# KiCad board nevb_mtr1_c_1.kicad_pcb (continued)
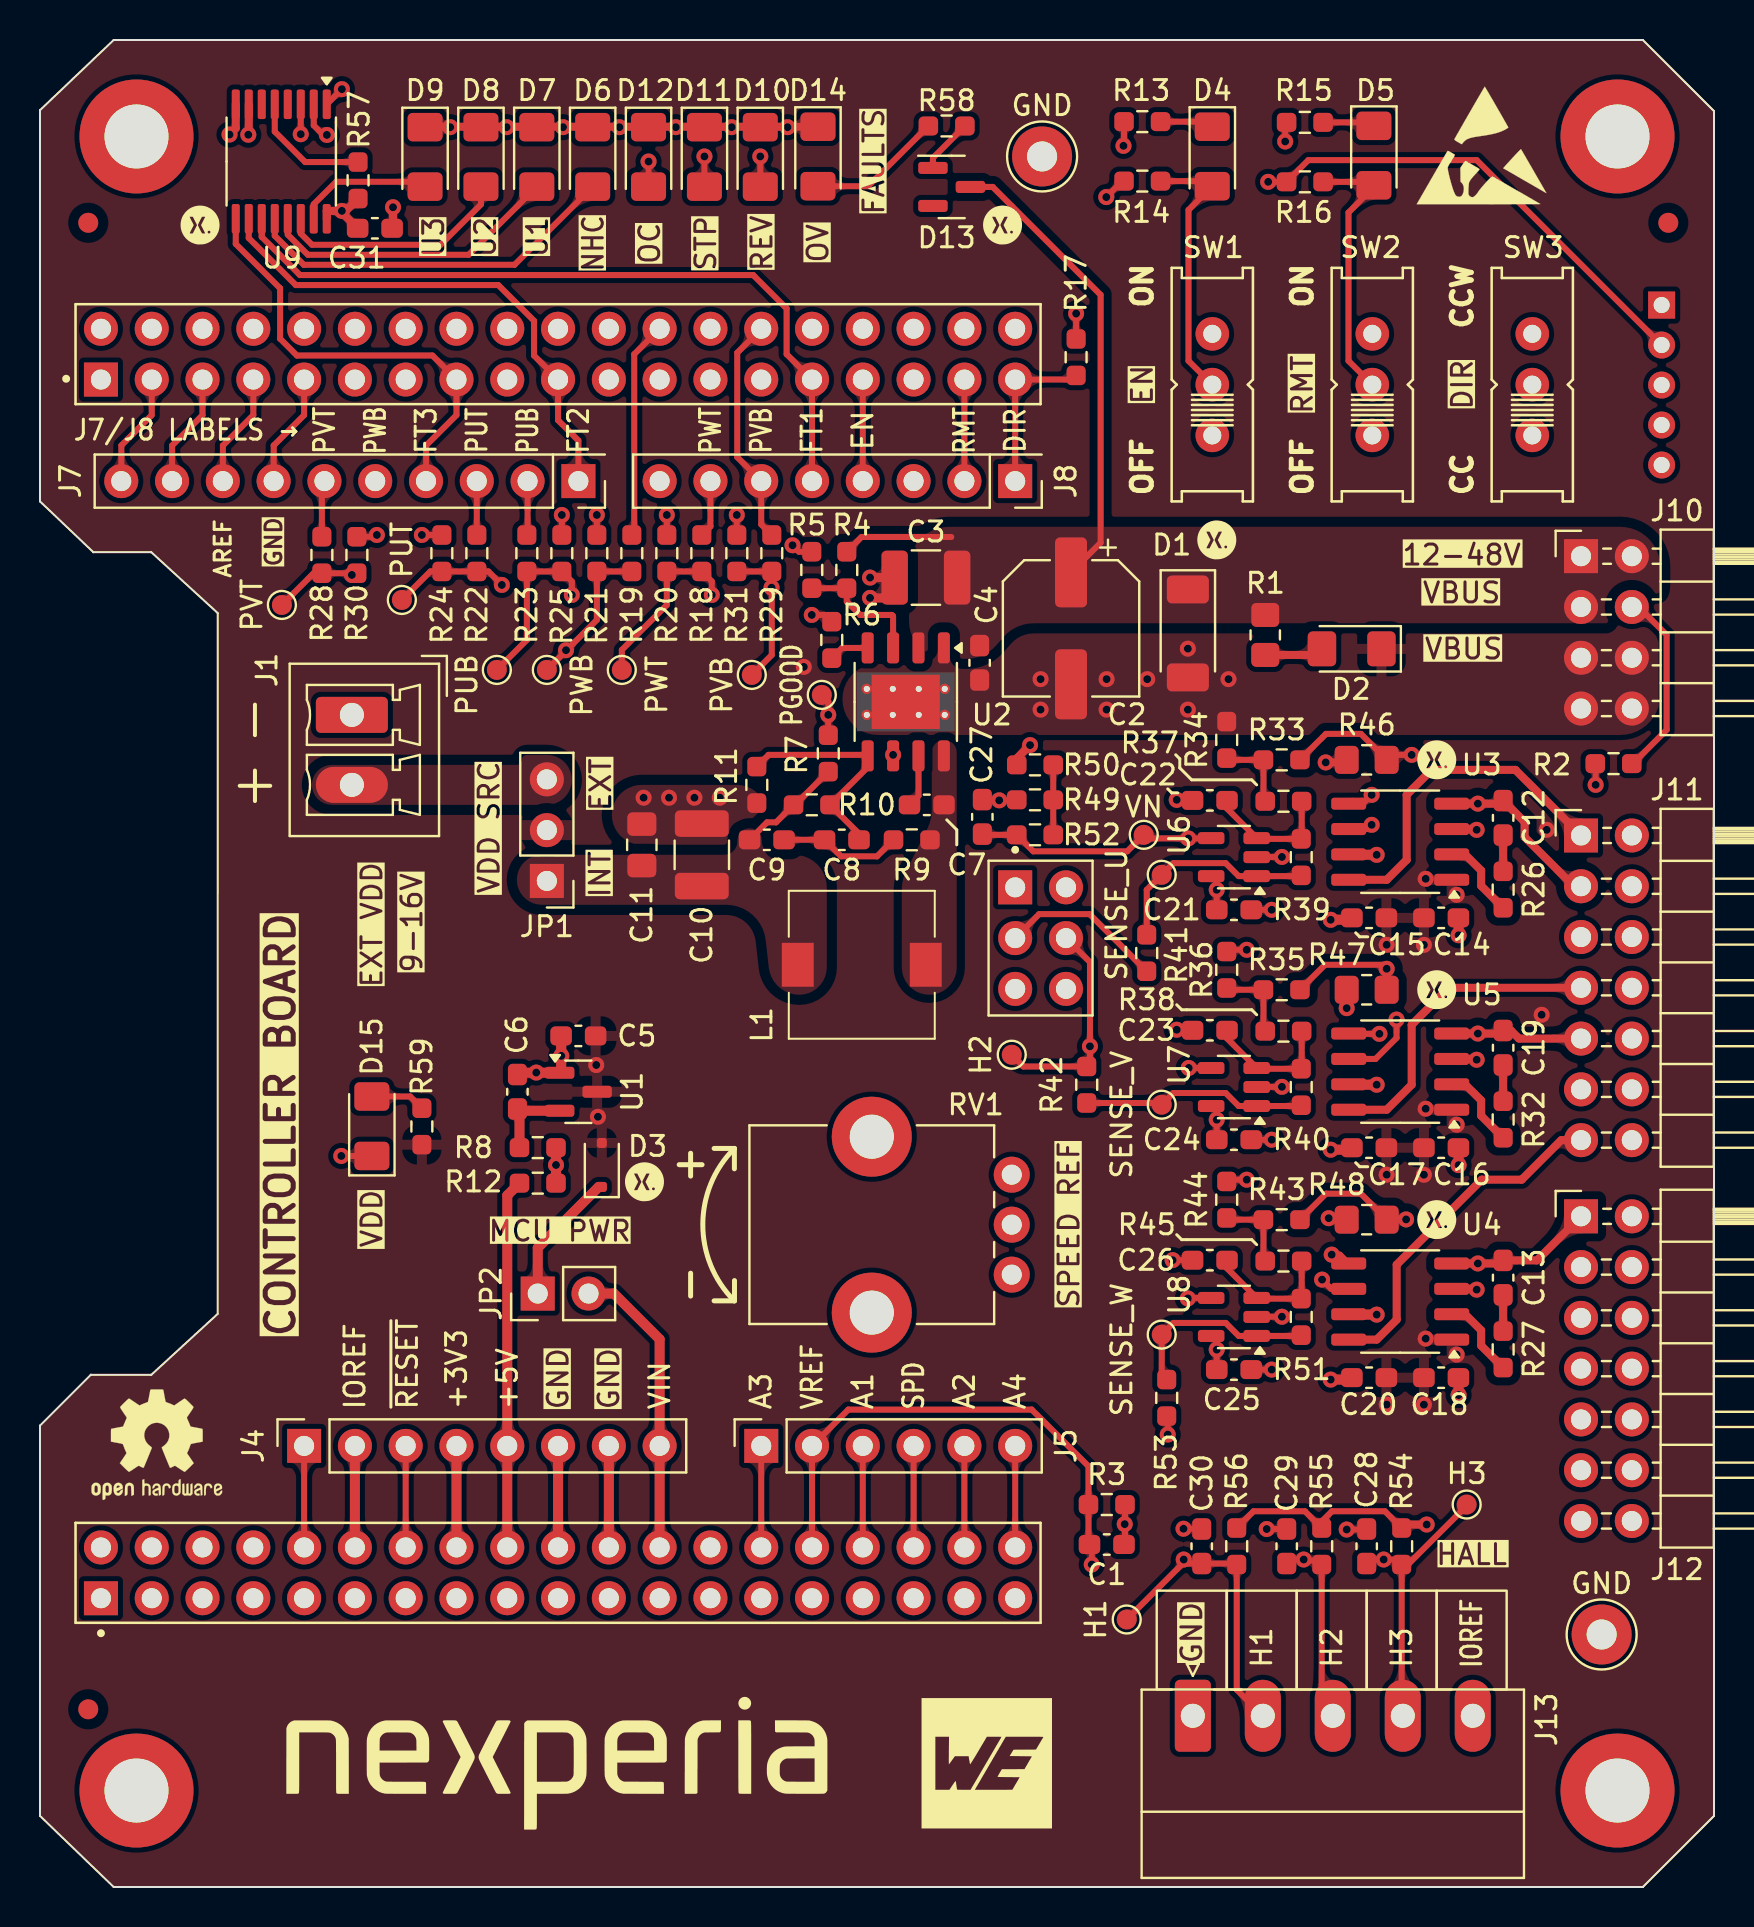
[diagram p0: board, top side]
## Library data of the parts (continued)
J4 J8 = -: Datasheet: https://suddendocs.samtec.com/catalog_english/ssq_th.pdf; Manufacturer: SAMTEC; Mfg Part No: SSQ-108-03-T-S; Farnell Part No: 3550867; Mouser Part No: 200-SSQ10803TS; ki_fp_filters: Connector*:*_1x??_*
J5 = -: Datasheet: https://suddendocs.samtec.com/catalog_english/ssq_th.pdf; Manufacturer: SAMTEC; Mfg Part No: SSQ-106-03-T-S; Farnell Part No: 3550863; Mouser Part No: 200-SSQ10603TS; ki_fp_filters: Connector*:*_1x??_*
J6 = -: Datasheet: https://suddendocs.samtec.com/catalog_english/ssq_th.pdf; Manufacturer: SAMTEC; Mfg Part No: SSQ-103-03-T-D; Farnell Part No: 3550857; Mouser Part No: 200-SSQ10303TD; ki_fp_filters: Connector*:*_2x??_*
J7 = -: Datasheet: https://suddendocs.samtec.com/catalog_english/ssq_th.pdf; Manufacturer: SAMTEC; Mfg Part No: SSQ-110-03-T-S; Farnell Part No: 3550873; Mouser Part No: 200-SSQ11003TS; ki_fp_filters: Connector*:*_1x??_*
J10 = -: Datasheet: https://www.we-online.com/components/products/datasheet/61300821021.pdf; Manufacturer: WURTH ELEKTRONIK; Mfg Part No: 61300821021; Farnell Part No: 2356196; Mouser Part No: 710-61300821021; ki_fp_filters: Connector*:*_2x??_*
J11 J12 = -: Datasheet: https://www.we-online.com/components/products/datasheet/61301421021.pdf; Manufacturer: WURTH ELEKTRONIK; Mfg Part No: 61301421021; Farnell Part No: 2356198; Mouser Part No: 710-61301421021; ki_fp_filters: Connector*:*_2x??_*
J13 = -: Datasheet: https://www.we-online.com/components/products/datasheet/691322110005.pdf; Manufacturer: WURTH ELEKTRONIK; Mfg Part No: 691322110005; Farnell Part No: 1841318; Mouser Part No: 710-691322110005; ki_fp_filters: Connector*:*_1x??_*
JP1 = -: Datasheet: https://www.we-online.com/components/products/datasheet/61300311121.pdf; Manufacturer: WURTH ELEKTRONIK; Mfg Part No: 61300311121; Farnell Part No: 2356154; Mouser Part No: 710-61300311121; ki_fp_filters: Jumper* TestPoint*3Pads* TestPoint*Bridge*
JP2 = -: Datasheet: https://www.we-online.com/components/products/datasheet/61300211121.pdf; Manufacturer: WURTH ELEKTRONIK; Mfg Part No: 61300211121; Farnell Part No: 2356153; Mouser Part No: 710-61300211121; ki_fp_filters: Jumper* TestPoint*2Pads* TestPoint*Bridge*
L1 = -: Datasheet: https://www.we-online.com/components/products/datasheet/7447773680.pdf; Manufacturer: WURTH ELEKTRONIK; Mfg Part No: 7447773680; Farnell Part No: 3221536; Mouser Part No: 710-7447773680; ki_fp_filters: Choke_* *Coil* Inductor_* L_*
R1 = -: Datasheet: http://www.kamaya.co.jp/upload/products_pdf/kamaya_products(RMC1-32,RMC1-20,RMC1-16S,RMC1-16,RMC1-10,RMC1-8,RMC1-4,RMC1-2,RMC1)_english_20240824_132441.pdf; Manufacturer: KAMAYA; Mfg Part No: RMC1/10K1003FTP; Mouser Part No: 791-RMC1/10K1003FTP; ki_fp_filters: R_*
R2 R4 R6 R7 = -: Datasheet: https://www.yageo.com/upload/media/product/app/datasheet/rchip/pyu-rt_1-to-0.01_rohs_l.pdf; Manufacturer: YAGEO; Mfg Part No: RT0603FRE07100KL; Farnell Part No: 1500586; Mouser Part No: 603-RT0603FRE07100KL; ki_fp_filters: R_*
R3 = -: Datasheet: https://www.yageo.com/upload/media/product/products/datasheet/rchip/PYu-RC_Group_51_RoHS_L_12.pdf; Manufacturer: YAGEO; Mfg Part No: RC0603FR-076K2L; Farnell Part No: 3495902; Mouser Part No: 603-RC0603FR-076K2L; ki_fp_filters: R_*
R5 = -: Datasheet: https://www.bourns.com/docs/product-datasheets/cr.pdf; Manufacturer: BOURNS; Mfg Part No: CR0603-FX-1502ELF; Farnell Part No: 2333567; Mouser Part No: 652-CR0603FX-1502ELF; ki_fp_filters: R_*
R8 R12 R26 R27 R32 R37 R38 R41 R42 R45 R52 R53 = -: Datasheet: https://www.yageo.com/upload/media/product/products/datasheet/rchip/PYu-RC_Group_51_RoHS_L_12.pdf; Manufacturer: YAGEO; Mfg Part No: RC0603FR-070RL; Farnell Part No: 2309106; Mouser Part No: 603-RC0603FR-070RL; ki_fp_filters: R_*
R9 R10 = -: Datasheet: https://www.yageo.com/upload/media/product/products/datasheet/rchip/PYu-RC_Group_51_RoHS_L_12.pdf; Manufacturer: YAGEO; Mfg Part No: RC0603FR-07453KL; Farnell Part No: 3950841; Mouser Part No: 603-RC0603FR-07453KL; ki_fp_filters: R_*
R11 = -: Datasheet: https://www.bourns.com/docs/product-datasheets/cr.pdf?sfvrsn=574d41f6_14; Manufacturer: BOURNS; Mfg Part No: CR0603-FX-4992ELF; Farnell Part No: CR0603-FX-4992ELF; Mouser Part No: 652-CR0603FX-4992ELF; ki_fp_filters: R_*
R13 R18 R19 R22 R23 R28 R29 = -: Datasheet: http://www.kamaya.co.jp/upload/products_pdf/kamaya_products(RMC1-32,RMC1-20,RMC1-16S,RMC1-16,RMC1-10,RMC1-8,RMC1-4,RMC1-2,RMC1)_english_20240824_132441.pdf; Manufacturer: KAMAYA; Mfg Part No: RMC1/16-102JTP; Mouser Part No: 791-RMC1/16-102JTP; ki_fp_filters: R_*
R14-R17 R20 R21 R24 R25 R30 R31 R54-R56 = -: Datasheet: http://www.kamaya.co.jp/upload/products_pdf/kamaya_products(RMC1-32,RMC1-20,RMC1-16S,RMC1-16,RMC1-10,RMC1-8,RMC1-4,RMC1-2,RMC1)_english_20240824_132441.pdf; Manufacturer: KAMAYA; Mfg Part No: RMC1/16-103JTP; Mouser Part No: 791-RMC1/16103JTP; ki_fp_filters: R_*
R33 R35 R43 R49 = -: Datasheet: https://www.yageo.com/upload/media/product/productsearch/datasheet/rchip/PYu-AC_51_RoHS_L_10.pdf; Manufacturer: YAGEO; Mfg Part No: AC0603FR-07110KL; Farnell Part No: 3952185; Mouser Part No: 603-AC0603FR-07110KL; ki_fp_filters: R_*
R34 R36 R44 R50 = -: Datasheet: https://industrial.panasonic.com/cdbs/www-data/pdf/RDA0000/AOA0000C304.pdf; Manufacturer: PANASONIC; Mfg Part No: ERJ-3EKF4991V; Farnell Part No: 2692541; Mouser Part No: 667-ERJ-3EKF4991V; ki_fp_filters: R_*
R39 R40 R51 = -: ki_fp_filters: R_*
R46-R48 = -: Datasheet: https://www.yageo.com/upload/media/product/products/datasheet/rchip/PYu-RC_Group_51_RoHS_L_12.pdf; Manufacturer: YAGEO; Mfg Part No: RC0805FR-101KL; Farnell Part No: 9237496; Mouser Part No: 603-RC0805FR-101KL; ki_fp_filters: R_*
R57 = -: Datasheet: http://www.kamaya.co.jp/upload/products_pdf/kamaya_products(RMC1-32,RMC1-20,RMC1-16S,RMC1-16,RMC1-10,RMC1-8,RMC1-4,RMC1-2,RMC1)_english_20240824_132441.pdf; Manufacturer: KAMAYA; Mfg Part No: RMC16K751FTP; Mouser Part No: 791-RMC16K751FTP; ki_fp_filters: R_*
R58 = -: Datasheet: https://www.yageo.com/upload/media/product/products/datasheet/rchip/PYu-RC_Group_51_RoHS_L_12.pdf; Manufacturer: YAGEO; Mfg Part No: RC0603JR-07220RL; Farnell Part No: 9233296; Mouser Part No: 603-RC0603JR-07220RL; ki_fp_filters: R_*
R59 = -: Datasheet: https://bourns.com/docs/product-datasheets/cr.pdf; Manufacturer: BOURNS; Mfg Part No: CR0603-FX-2702ELF; Farnell Part No: 2908288; Mouser Part No: 652-CR0603FX-2702ELF; ki_fp_filters: R_*
RV1 = -: Datasheet: https://www.bourns.com/pdfs/PTV09.pdf; Manufacturer: BOURNS; Mfg Part No: PTV09A-4225U-B103; Farnell Part No: 2663537; Mouser Part No: 652-PTV09A-4225UB103; ki_fp_filters: Potentiometer*
SW1-SW3 = -: Datasheet: https://configured-product-images.s3.amazonaws.com/2D/specs/EG1218.pdf; Manufacturer: E-SWITCH; Mfg Part No: EG1218; Farnell Part No: 2787232; Mouser Part No: 612-EG1218
TP1-TP7 TP10-TP16 = -: ki_fp_filters: Pin* Test*
TP8 TP9 = -: Datasheet: https://www.keyelco.com/product-pdf.cfm?p=14635; Manufacturer: KEYSTONE ELECTRONICS; Mfg Part No: 5288; Mouser Part No: 534-5288; ki_fp_filters: Pin* Test*
U1 = -: Datasheet: http://ww1.microchip.com/downloads/en/DeviceDoc/20002276C.pdf; Manufacturer: MICROCHIP TECHNOLOGY; Mfg Part No: MCP1754ST-5002E/CB; Farnell Part No: 2065849; Mouser Part No: 579-MCP1754T-5002ECB; ki_fp_filters: SOT?23*
U2 = -: Datasheet: https://www.ti.com/lit/ds/symlink/lm5164.pdf; Description: 1A synchronous buck converter with ultra-low IQ, 6V - 100V input, adjustable output voltage, HSOP-8; Manufacturer: TEXAS INSTRUMENTS; Mfg Part No: LM5164DDAR; Mouser Part No: 595-LM5164DDAR; ki_fp_filters: HSOP*1EP*3.9x4.9*P1.27mm*
U3-U5 = -: Datasheet: https://assets.nexperia.com/documents/data-sheet/NGD4300.pdf; Manufacturer: NEXPERIA; Mfg Part No: NGD4300DJ; Farnell Part No: 4574123; Mouser Part No: 771-NGD4300DJ
U6-U8 = -: Datasheet: https://ww1.microchip.com/downloads/en/DeviceDoc/MCP6561-1R-1U-2-4-1.8V-Low-Power-Push-Pull-Output-Comparator-DS20002139E.pdf; Manufacturer: MICROCHIP TECHNOLOGY; Mfg Part No: MCP6561T-E/OT; Farnell Part No: 1715874; Mouser Part No: 579-MCP6561T-E/OT; ki_fp_filters: SOT?23*
U9 = -: Datasheet: https://assets.nexperia.com/documents/data-sheet/CBT3251.pdf; Manufacturer: NEXPERIA; Mfg Part No: CBT3251PW,118; Farnell Part No: 2445292; Mouser Part No: 771-CBT3251PW118

## Footprints (pads in the part's own frame, mm; a bottom-side part is the same pattern mirrored in y, then rotated)
C_0603_1608Metric_Pad1.08x0.95mm_HandSolder
  rrect 1.075x0.95 smd: 1(-0.863,0) 2(0.863,0)
C_0805_2012Metric_Pad1.18x1.45mm_HandSolder
  rrect 1.175x1.45 smd: 1(-1.038,0) 2(1.038,0)
C_1210_3225Metric_Pad1.33x2.70mm_HandSolder
  rrect 1.325x2.7 smd: 1(-1.562,0) 2(1.562,0)
CP_Elec_6.3x9.9
  rrect 3.5x1.6 smd: 1(-2.8,0) 2(2.8,0)
D_SOD-128
  rrect 1.4x2.1 smd: 1(-2.2,0) 2(2.2,0)
D_SOD-323F
  rrect 0.5x0.5 smd: 1(-1.1,0) 2(1.1,0)
D_SOT-23
  rrect 1.475x0.6 smd: (-0.938,-0.95) 1(0.938,0) 2(-0.938,0.95)
EG1218
  round 1.676 hole 0.9: 1(-2.54,0) 2(0,0) 3(2.54,0)
Fiducial_1mm_Mask2mm
  round 1 smd: (0,0)
HSOP-8-1EP_3.9x4.9mm_P1.27mm_EP2.41x3.1mm_ThermalVias
  rrect 1.55x0.6 smd: 1(-2.7,1.905) 2(-2.7,0.635) 3(-2.7,-0.635) 4(-2.7,-1.905) 5(2.7,-1.905) 6(2.7,-0.635) 7(2.7,0.635) 8(2.7,1.905)
  round 0.5 hole 0.3: 9(-0.65,1.95) 9(-0.65,0.65) 9(-0.65,-0.65) 9(-0.65,-1.95) 9(0.65,1.95) 9(0.65,0.65) 9(0.65,-0.65) 9(0.65,-1.95)
  rect 2.71x3.4 smd: 9(0,0)
  rect 2.95x4.9 smd far side: 9(0,0)
L_WE_PD_7345P
  rect 2.2x1.6 smd: 1(0,-3.2) 2(0,3.2)
LED_1206_3216Metric_Pad1.42x1.75mm_HandSolder
  rrect 1.425x1.75 smd: 1(-1.488,0) 2(1.488,0)
MountingHole_3.2mm_M3_ISO7380_Pad
  round 5.7 hole 3.2: 1(0,0)
PhoenixContact_MC_1,5_5-G-3.5_1x05_P3.50mm_Horizontal
  rrect 1.8x3.6 hole 1.2: 1(0,0)
  oval 1.8x3.6 hole 1.2: 2(3.5,0) 3(7,0) 4(10.5,0) 5(14,0)
PhoenixContact_MCV_1,5_2-G-3.5_1x02_P3.50mm_Vertical
  rrect 1.8x3.6 hole 1.2: 1(0,0)
  oval 1.8x3.6 hole 1.2: 2(3.5,0)
PinHeader_1x02_P2.54mm_Vertical
  rect 1.7x1.7 hole 1: 1(0,0)
  oval 1.7x1.7 hole 1: 2(0,-2.54)
PinHeader_1x03_P2.54mm_Vertical
  rect 1.7x1.7 hole 1: 1(0,0)
  oval 1.7x1.7 hole 1: 2(0,-2.54) 3(0,-5.08)
PinHeader_1x05_P2.00mm_Vertical
  rect 1.35x1.35 hole 0.8: 1(0,0)
  oval 1.35x1.35 hole 0.8: 2(0,-2) 3(0,-4) 4(0,-6) 5(0,-8)
PinHeader_2x04_P2.54mm_Horizontal
  rect 1.7x1.7 hole 1: 1(0,0)
  oval 1.7x1.7 hole 1: 2(2.54,0) 3(0,-2.54) 4(2.54,-2.54) 5(0,-5.08) 6(2.54,-5.08) 7(0,-7.62) 8(2.54,-7.62)
PinHeader_2x07_P2.54mm_Horizontal
  rect 1.7x1.7 hole 1: 1(0,0)
  oval 1.7x1.7 hole 1: 2(2.54,0) 3(0,-2.54) 4(2.54,-2.54) 5(0,-5.08) 6(2.54,-5.08) 7(0,-7.62) 8(2.54,-7.62) 9(0,-10.16) 10(2.54,-10.16) 11(0,-12.7) 12(2.54,-12.7) 13(0,-15.24) 14(2.54,-15.24)
PinSocket_1x06_P2.54mm_Vertical
  rect 1.7x1.7 hole 1: 1(0,0)
  oval 1.7x1.7 hole 1: 2(0,-2.54) 3(0,-5.08) 4(0,-7.62) 5(0,-10.16) 6(0,-12.7)
PinSocket_1x08_P2.54mm_Vertical
  rect 1.7x1.7 hole 1: 1(0,0)
  oval 1.7x1.7 hole 1: 2(0,-2.54) 3(0,-5.08) 4(0,-7.62) 5(0,-10.16) 6(0,-12.7) 7(0,-15.24) 8(0,-17.78)
PinSocket_1x10_P2.54mm_Vertical
  rect 1.7x1.7 hole 1: 1(0,0)
  oval 1.7x1.7 hole 1: 2(0,-2.54) 3(0,-5.08) 4(0,-7.62) 5(0,-10.16) 6(0,-12.7) 7(0,-15.24) 8(0,-17.78) 9(0,-20.32) 10(0,-22.86)
PinSocket_2x03_P2.54mm_Vertical
  rect 1.7x1.7 hole 1: 1(0,0)
  oval 1.7x1.7 hole 1: 2(-2.54,0) 3(0,-2.54) 4(-2.54,-2.54) 5(0,-5.08) 6(-2.54,-5.08)
PinSocket_2x19_P2.54mm_Vertical
  rect 1.7x1.7 hole 1: 1(0,0)
  oval 1.7x1.7 hole 1: 2(-2.54,0) 3(0,-2.54) 4(-2.54,-2.54) 5(0,-5.08) 6(-2.54,-5.08) 7(0,-7.62) 8(-2.54,-7.62) 9(0,-10.16) 10(-2.54,-10.16) 11(0,-12.7) 12(-2.54,-12.7) 13(0,-15.24) 14(-2.54,-15.24) 15(0,-17.78) 16(-2.54,-17.78) 17(0,-20.32) 18(-2.54,-20.32) 19(0,-22.86) 20(-2.54,-22.86) 21(0,-25.4) 22(-2.54,-25.4) 23(0,-27.94) 24(-2.54,-27.94) 25(0,-30.48) 26(-2.54,-30.48) 27(0,-33.02) 28(-2.54,-33.02) 29(0,-35.56) 30(-2.54,-35.56) 31(0,-38.1) 32(-2.54,-38.1) 33(0,-40.64) 34(-2.54,-40.64) 35(0,-43.18) 36(-2.54,-43.18) 37(0,-45.72) 38(-2.54,-45.72)
Potentiometer_Bourns_PTV09A-1_Single_Vertical
  round 4 hole 2.2 unplated: (7,6.9) (7,-1.9)
  round 1.8 hole 1: 1(0,0) 2(0,2.5) 3(0,5)
R_0603_1608Metric_Pad0.98x0.95mm_HandSolder
  rrect 0.975x0.95 smd: 1(-0.912,0) 2(0.912,0)
R_0805_2012Metric_Pad1.20x1.40mm_HandSolder
  rrect 1.2x1.4 smd: 1(-1,0) 2(1,0)
SO-8_3.9x4.9mm_P1.27mm
  rrect 1.75x0.6 smd: 1(-2.575,1.905) 2(-2.575,0.635) 3(-2.575,-0.635) 4(-2.575,-1.905) 5(2.575,-1.905) 6(2.575,-0.635) 7(2.575,0.635) 8(2.575,1.905)
SOT-23
  rrect 1.475x0.6 smd: 1(-0.938,0.95) 2(-0.938,-0.95) 3(0.938,0)
SOT-23-5
  rrect 1.325x0.6 smd: 1(-1.137,0.95) 2(-1.137,0) 3(-1.137,-0.95) 4(1.137,-0.95) 5(1.137,0.95)
TestPoint_Pad_D1.0mm
  round 1 smd: 1(0,0)
TestPoint_THTPad_D3.0mm_Drill1.5mm
  round 3 hole 1.5: 1(0,0)
TSSOP-16_4.4x5mm_P0.65mm
  rrect 1.475x0.4 smd: 1(-2.862,2.275) 2(-2.862,1.625) 3(-2.862,0.975) 4(-2.862,0.325) 5(-2.862,-0.325) 6(-2.862,-0.975) 7(-2.862,-1.625) 8(-2.862,-2.275) 9(2.862,-2.275) 10(2.862,-1.625) 11(2.862,-0.975) 12(2.862,-0.325) 13(2.862,0.325) 14(2.862,0.975) 15(2.862,1.625) 16(2.862,2.275)

## Nets
+5V: C31.1 R8.1 R12.2 R57.1 U9.16
/Microcontroller/3V3: J2.16 J4.4
/Microcontroller/+5V_OUT: J2.18 J4.5 R12.1
/Microcontroller/VIN: J2.24 J4.8 JP2.2
/VBUS_REF: C1.1 J2.30 J5.2 R2.1 R3.2
/VBUS_S: J10.4 R2.2
GND: C1.2 C2.2 C3.2 C4.2 C5.2 C6.2 C10.1 C11.2 C14.2 C15.2 C16.2 C17.2 C18.2 C20.2 C21.2 C22.2 C23.2 C24.2 C25.2 C26.2 C27.2 C28.2 C29.2 C30.2 C31.2 D1.2 D2.1 D6.1 D7.1 D8.1 D9.1 D10.1 D11.1 D12.1 D14.1 D15.1 J1.1 J2.8 J2.19 J2.20 J2.22 J3.1 J4.6 J4.7 J6.6 J10.5 J10.6 J10.7 J10.8 J11.2 J11.4 J11.6 J11.8 J11.10 J11.12 J11.14 J12.2 J12.4 J12.6 J12.8 J12.10 J12.12 J12.14 J13.1 R3.1 R5.1 R6.1 R11.1 R13.2 R15.2 R20.1 R21.2 R24.1 R25.2 R30.1 R31.2 R34.1 R36.1 R44.1 R50.1 RV1.3 SW1.1 SW2.1 SW3.1 TP8.1 TP9.1 U1.1 U2.1 U2.9 U3.7 U4.7 U5.7 U6.2 U7.2 U8.2 U9.7 U9.8
VBUS: C2.1 C3.1 C4.1 D1.1 D13.1 J10.1 J10.2 J10.3 R1.1 R4.2 U2.2
VDD: C5.1 C14.1 C15.1 C16.1 C17.1 C18.1 C20.1 D3.2 JP1.2 R59.1 U1.3 U3.1 U4.1 U5.1
/ADC1: J2.32 J5.3 J12.5
/ADC2: J2.36 J5.5 J12.7
/ADC3: J2.28 J5.1 J12.9
/ADC4: J2.38 J5.6 J12.11
/Back EMF sense/SENSE_U: R39.1 R41.2 TP10.1 U6.1
/Back EMF sense/SENSE_V: R40.1 R42.2 TP11.1 U7.1
/Back EMF sense/SENSE_W: R51.1 R53.2 TP15.1 U8.1
/Back EMF sense/VNEUTRAL: C27.1 R52.1 TP14.1 U6.4 U7.4 U8.4
/DC-DC converter/BOOT: C7.1 U2.7
/DC-DC converter/PGOOD: R7.1 TP1.1 U2.6
/DC-DC converter/SW: C7.2 L1.1 R9.2 U2.8
/DC-DC converter/VOUT: C9.2 C10.2 C11.1 JP1.1 L1.2 R7.2 R10.2
/DIRECTION: J3.4 J8.1 J9.37 R17.1
/ENABLE: J3.3 J8.4 J9.31 R14.1
/FAULT_BIT1: J8.5 J9.29 U9.11
/FAULT_BIT2: J7.1 J9.19 U9.10
/FAULT_BIT3: J7.4 J9.15 U9.9
/GATE_UB: J11.1 U3.8
/GATE_UT: J11.5 U3.3
/GATE_VB: J11.7 U5.8
/GATE_VT: J11.11 U5.3
/GATE_WB: J11.13 U4.8
/GATE_WT: J12.3 U4.3
/HALL1: C30.1 J2.17 J6.3 J13.2 R41.1 R56.1 TP12.1
/HALL2: C29.1 J2.35 J6.4 J13.3 R42.1 R55.1 TP13.1
/HALL3: C28.1 J2.37 J6.1 J13.4 R53.1 R54.1 TP16.1
/IOREF: C21.1 C24.1 C25.1 J2.12 J3.5 J4.2 J12.13 J13.5 R54.2 R55.2 R56.2 RV1.1 SW1.3 SW2.3 SW3.3 U6.5 U7.5 U8.5
/Microcontroller/AREF: J7.8 J9.7
/Microcontroller/D2: J7.9 J9.5
/Microcontroller/D3: J7.10 J9.3
/Microcontroller/NC_1: J2.10 J4.1
/Microcontroller/RESET: J2.14 J4.3
/PHASE_U: C12.2 J11.3 R33.2 R46.2 U3.4
/PHASE_V: C19.2 J11.9 R35.2 R47.2 U5.4
/PHASE_W: C13.2 J12.1 R43.2 R48.2 U4.4
/PWM_UB: J7.2 J9.30 R23.1
/PWM_UT: J7.3 J9.23 R22.1
/PWM_VB: J8.6 J9.28 R29.1
/PWM_VT: J7.6 J9.21 R28.1
/PWM_WB: J7.5 J9.24 R19.1
/PWM_WT: J8.7 J9.33 R18.1
/REMOTE: J3.2 J8.2 J9.35 R16.1
/SPEED: J2.34 J5.4 RV1.2
Net-(C8-Pad2): C8.2 C9.1 R9.1
Net-(C12-Pad1): C12.1 R26.2
Net-(C13-Pad1): C13.1 R27.2
Net-(C19-Pad1): C19.1 R32.2
Net-(D2-A): D2.2 R1.2
Net-(D3-K): D3.1 JP2.1
Net-(D4-A): D4.2 R14.2 SW1.2
Net-(D4-K): D4.1 R13.1
Net-(D5-A): D5.2 R16.2 SW2.2
Net-(D5-K): D5.1 R15.1
Net-(D6-A): D6.2 U9.12
Net-(D7-A): D7.2 U9.13
Net-(D8-A): D8.2 U9.14
Net-(D9-A): D9.2 U9.15
Net-(D10-A): D10.2 U9.1
Net-(D11-A): D11.2 U9.2
Net-(D12-A): D12.2 U9.3
Net-(D13-A): D13.2 R58.1
Net-(D14-A): D14.2 R58.2
Net-(D15-A): D15.2 R59.2
Net-(J1-Pin_2): J1.2 JP1.3
Net-(J7-Pin_7): J7.7 J9.9
Net-(R33-Pad1): R33.1 R34.2 R37.2
Net-(R35-Pad1): R35.1 R36.2 R38.2
Net-(R43-Pad1): R43.1 R44.2 R45.2
Net-(R46-Pad1): R46.1 R47.1 R48.1 R49.2
Net-(R49-Pad1): R49.1 R50.2 R52.2
Net-(SW3-B): R17.2 SW3.2
Net-(U1-VO): C6.1 R8.2 U1.2
Net-(U2-EN/UVLO): R4.1 R5.2 U2.3
Net-(U2-FB): C8.1 R10.1 R11.2 U2.5
Net-(U2-RON): R6.2 U2.4
Net-(U3-HB): R26.1 U3.2
Net-(U3-HI): R22.2 R24.2 TP4.1 U3.5
Net-(U3-LI): R23.2 R25.1 TP5.1 U3.6
Net-(U4-HB): R27.1 U4.2
Net-(U4-HI): R18.2 R20.2 TP2.1 U4.5
Net-(U4-LI): R19.2 R21.1 TP3.1 U4.6
Net-(U5-HB): R32.1 U5.2
Net-(U5-HI): R28.2 R30.2 TP6.1 U5.5
Net-(U5-LI): R29.2 R31.1 TP7.1 U5.6
Net-(U6-+): C22.1 R37.1 R39.2 U6.3
Net-(U7-+): C23.1 R38.1 R40.2 U7.3
Net-(U8-+): C26.1 R45.1 R51.2 U8.3
Net-(U9-A): R57.2 U9.5

Pads without a net: H1 1; H2 1; H3 1; H4 1; J2 1 2 3 4 5 6 7 9 11 13 15 21 23 25 26 27 29 31 33; J6 2 5; J8 3 8; J9 1 2 4 6 8 10 11 12 13 14 16 17 18 20 22 25 26 27 32 34 36 38; U9 4 6

## Via types
v1: diameter 0.8, hole 0.4, Top to Bottom, 131 vias

## Routing (per net, layer and track width the routed paths; a pad name or vN(x,y) marks a point on that pad's centre or on a via; arc(x,y) is an arc through that point)
+5V: length 61.9
  Top w0.4: v1(15.1,83.84) 15.1,83.76 C31.1 ; v1(15.1,83.84) 15.15,83.7 R57.1 ; v1(15.1,83.84) 14.34,83.84 U9.16
  Top w0.5: R8.1 R12.2
  In1.Cu w0.4: v1(25.8,36.12) 11.68,50.24 11.68,64.98 15.51,68.81 15.51,72.12 17.02,73.63 17.02,81.92 v1(15.1,83.84)
/Microcontroller/3V3: length 5.1
  Top w0.5: J2.16 J4.4
/Microcontroller/+5V_OUT: length 18.5
  Top w0.5: J2.18 J4.5 23.37,34.6 R12.1
/Microcontroller/VIN: length 14.9
  Top w0.5: J2.24 J4.8 30.99,27.4 28.7,29.69 JP2.2
/VBUS_REF: length 98.9
  Top w0.3: J2.30 J5.2 40.42,23.88 49.6,23.88 52.43,21.04 R3.2 52.43,17.18 C1.1 52.6,17.02 v1(52.6,16.13) ; R2.1 77.8,56.18 v1(77.8,55.13)
  In1.Cu w0.3: v1(52.6,16.13) 53.1,15.63 81.1,15.63 82.1,16.63 82.1,53.63 80.6,55.13 v1(77.8,55.13)
/VBUS_S: length 9.5
  Top w0.3: R2.2 79.66,56.19 81.35,57.88 81.35,62.63 79.95,64.03 J10.4
GND: length 81
  Top w0.3: C30.2 58.08,17.92 v1(57.19,17.92) ; v1(16.85,67.63) 16.76,67.54 R30.1 ; R13.2 54.21,87.13 v1(54.18,87.1) ; R6.1 39.26,63.63 v1(38.6,63.63) ; v1(31.35,68.63) R20.1 ; v1(61.6,48.88) C21.2 ; C27.2 47.16,54.36 v1(47.97,54.36) 48.82,54.36 R50.1 ; R5.1 37.96,66.79 v1(37.63,67.12) ; v1(62.11,28.53) 60.85,28.53 U8.2 ; v1(62.11,40.03) 60.85,40.03 U7.2 ; v1(26.1,68.63) R25.2 ; C28.2 66.32,17.88 v1(65.35,17.88) ; v1(60.35,46.88) 59.43,46.88 R36.1 ; C1.2 54.26,17.18 R3.1 ; v1(60.35,35.38) 59.43,35.38 R44.1 ; v1(61.6,25.88) C25.2 ; D15.1 v1(15.07,36.57) ; U6.2 60.85,51.53 v1(62.11,51.53) ; v1(27.85,68.63) R21.2 ; v1(62.27,87.31) 62.27,88.2 R15.2 ; C22.2 57.61,54.38 v1(56.85,54.38) ; C26.2 57.64,31.36 v1(56.64,31.36) ; C23.2 57.61,42.88 v1(56.85,42.88) ; v1(61.6,37.38) C24.2 ; v1(19.1,67.63) R24.1 ; v1(61.35,17.91) C29.2 ; v1(34.85,68.63) R31.2
  Top w0.4: C31.2 17.65,83.02 v1(17.65,84.03) ; v1(10.42,87.65) 10.44,87.68 U9.7 ; D14.1 19.28,88.05 D9.1 ; v1(9.48,87.66) 9.79,87.98 U9.8
  Top w0.45: v1(41.51,65.5) C3.2 ; v1(41.51,64.48) 42.74,64.48
  Top w0.5: v1(64.55,48.38) 65.51,48.38 C15.2 ; v1(64.55,36.88) 65.51,36.88 C17.2 ; U5.7 65.47,40.13 v1(66.85,40.13) ; v1(70.94,47.61) 70.94,48.47 C14.2 ; 25.91,16.99 J4.6 ; U4.7 65.47,28.63 v1(66.85,28.63) ; C6.2 23.96,40.73 24.81,40.73 v1(24.82,40.74) 24.83,40.73 U1.1 26.06,40.81 26.06,41.57 v1(26.07,41.58) 26.06,41.58 C5.2 ; C20.2 65.51,25.38 v1(64.55,25.38) ; U3.7 65.47,51.63 v1(66.85,51.63) ; v1(70.94,24.61) 70.94,25.47 C18.2 ; C16.2 70.94,36.97 v1(70.94,36.11) ; J2.22 J4.7
  vias: v1(20.51,88.03) v1(23.33,88.03) v1(26.15,88.03) v1(28.97,88.03) v1(30.19,54.49) v1(31.46,54.49) v1(31.79,88.03) v1(32.73,54.49) v1(34,54.49) v1(34.59,88.03) v1(37.38,88.03) v1(50.04,60.42) v1(50.04,58.9) v1(53.34,60.42) v1(53.34,58.9) v1(54.25,18.15) v1(55.37,60.42) v1(57.4,61.94) v1(57.4,58.9) v1(59.44,60.42)
VBUS: length 28.8
  Top w0.3: C2.1 53.04,67.24 53.04,79.64 47.64,85.04 D13.1 ; R4.2 41.08,67.53 45.57,67.53
VDD:
  vias: v1(27.82,41.12) v1(27.9,38.53) v1(38.2,61.03) v1(67.35,47.13) v1(67.35,35.63) v1(67.35,24.13) v1(69.21,47.13) v1(69.21,35.63) v1(69.21,24.13) v1(69.3,50.43) v1(69.3,38.93) v1(69.3,27.43) v1(70.85,49.63) v1(70.85,38.13) v1(70.85,26.63) v1(75.1,43.63) v1(75.35,52.88)
/ADC1: length 43.7
  Top w0.3: J2.32 J5.3
  In1.Cu w0.3: J5.3 43.52,24.44 65.21,24.44 69.24,28.47 J12.5
/ADC2: length 37.5
  Top w0.3: J2.36 J5.5
  In1.Cu w0.3: J12.7 74.51,23.38 68.9,23.38 68.89,23.38 47.54,23.38 J5.5
/ADC3: length 48.8
  Top w0.3: J2.28 J5.1
  In1.Cu w0.3: J12.9 75.01,21.33 50.8,21.33 48.85,19.38 38.75,19.38 J5.1
/ADC4: length 35
  Top w0.3: J2.38 J5.6
  In1.Cu w0.3: J12.11 76.15,19.93 51.71,19.93 J2.38
/Back EMF sense/SENSE_U: length 11
  Top w0.3: R39.1 63.04,50.57 U6.1 ; U6.1 59.94,50.57 59.29,51.22 56.68,51.22 TP10.1 55.35,49.88 R41.2 ; U6.1 60.74,50.46
/Back EMF sense/SENSE_V: length 11.4
  Top w0.3: R40.1 63.04,39.07 U7.1 ; U7.1 59.94,39.07 59.29,39.72 56.68,39.72 TP11.1 55.85,39.13 55.76,39.22 R42.2 ; U7.1 60.74,38.96
/Back EMF sense/SENSE_W: length 10
  Top w0.3: R51.1 63.04,27.57 U8.1 ; 60.74,27.46 U8.1 ; U8.1 59.94,27.57 59.29,28.22 56.68,28.22 TP15.1 56.1,25.63 R53.2
/Back EMF sense/VNEUTRAL: length 37.6
  Top w0.3: U6.4 58.56,52.45 v1(57.42,52.45) 55.02,52.45 54.37,51.81 49.67,51.81 R52.1 47.16,52.63 C27.1 ; U7.4 58.57,40.97 v1(57.45,40.97) ; U8.4 57.43,29.47 v1(57.4,29.44)
  In2.Cu w0.3: v1(57.42,52.45) 57.35,52.38 57.35,43.44 57.6,43.19 57.6,41.12 v1(57.45,40.97) 57.39,40.91 57.39,29.45 v1(57.4,29.44)
/DC-DC converter/BOOT: length 2.6
  Top w0.3: U2.7 43.93,54.58 C7.1
/DC-DC converter/PGOOD: length 6.2
  Top w0.3: TP1.1 39.42,59.31 v1(39.42,58.63) R7.1
  In1.Cu w0.3: v1(39.42,58.63) 40.1,58.63 42.1,56.63 v1(42.66,56.63)
/DC-DC converter/VOUT: length 5.3
  Top w0.3: R7.2 37.76,54.13 R10.2 36.81,53.26 36.36,53.26 C9.2
/DIRECTION: length 41.7
  Top w0.3: J8.1 J9.37 51.61,75.41 R17.1
  In1.Cu w0.3: J3.4 78.29,70.33 J8.1
/ENABLE: length 56.7
  Top w0.3: v1(53.32,84.53) 54.12,85.33 R14.1 ; J8.4 J9.31
  In2.Cu w0.3: J9.31 42.42,76.68 42.42,79.22 47.74,84.53 v1(53.32,84.53) 54.84,86.05 70.18,86.05 J3.3
/FAULT_BIT1: length 38.7
  Top w0.3: 11.09,82.54 13,80.63 35.67,80.63 37.34,78.96 37.34,76.68 J9.29 J8.5 ; 11.09,82.54 11.09,83.45 11.09,82.54
/FAULT_BIT2: length 25.9
  Top w0.3: U9.10 10.44,82.48 12.79,80.13 22.92,80.13 24.71,78.34 24.71,76.61 25.91,75.41 25.91,73.37 26.92,72.36 J7.1
/FAULT_BIT3: length 22.3
  Top w0.3: 19.31,70.33 19.31,72.11 20.83,73.63 J9.15 19.63,76.61 12.85,76.61 12.01,77.45 12.01,79.97 9.79,82.19 U9.9
/GATE_UB: length 17.2
  Top w0.4: J11.1 73.78,55.88 69.6,55.88 68.35,54.63 68.35,51.38 67.35,50.38 U3.8
/GATE_UT: length 8.9
  Top w0.4: U3.3 71.81,52.92 v1(71.85,52.88)
  In1.Cu w0.4: J11.5 77.07,47.66 v1(71.85,52.88) 71.85,52.74
/GATE_VB: length 15.9
  Top w0.4: J11.7 70.44,44.98 68.6,43.13 68.6,40.13 67.35,38.88 U5.8
/GATE_VT: length 7.4
  Top w0.4: U5.3 71.81,41.42 v1(71.85,41.38) ; J11.11 77.07,39.6
  In1.Cu w0.4: J11.11 75.58,41.38 v1(71.85,41.38)
/GATE_WB: length 17.5
  Top w0.4: U4.8 66.85,27.38 67.85,28.38 67.85,31.13 72.1,35.38 74.1,35.38 76.07,37.36 J11.13 76.95,37.36
/GATE_WT: length 7
  Top w0.4: v1(71.85,29.88) 71.81,29.92 U4.3
  In1.Cu w0.4: J12.3 73.26,31.01 72.13,29.88 v1(71.85,29.88)
/HALL1: length 99.1
  Top w0.3: R41.1 52.49,48.67 49.97,48.67 J6.3 ; TP12.1 57.2,16.23 v1(57.2,16.38) 57.4,16.18 C30.1 59.8,16.18 R56.1 59.85,9.87 J13.2
  In1.Cu w0.3: J2.17 23.37,13.78 25.26,11.88 58.85,11.88 61.15,9.58 J13.2
  In2.Cu w0.3: v1(57.2,16.38) 57.2,16.85 56.44,17.61 56.44,18.49 51,23.93 51,43.54 50.11,44.43 50.11,46.13 J6.3
/HALL2: length 73.1
  Top w0.3: C29.1 62.55,16.38 v1(63.2,16.38) 63.25,16.33 63.9,16.33 R55.1 64.1,9.12 J13.3 ; J6.4 52.51,46.27 52.51,42.05 v1(52.51,42.05) 52.51,42.05 52.51,41.21 R42.1 49.18,41.04 TP13.1
  In1.Cu w0.3: J2.35 47.54,13.13 60.08,13.13 J13.3
  In2.Cu w0.3: v1(63.2,16.38) 62.45,17.13 60,17.13 52.51,24.62 v1(52.51,42.05)
/HALL3: length 81.9
  Top w0.3: R54.1 67.85,16.38 66.55,16.38 C28.1 ; R54.1 68.1,8.62 J13.4 ; R54.1 68.41,16.13 71.35,19.07 TP16.1 ; R53.1 56.4,23.51 v1(56.4,22.63)
  In1.Cu w0.3: J2.37 62.27,14.45 J13.4
  In2.Cu w0.3: 67.18,16.2 67.18,16.36 v1(67.2,16.38) 65.35,16.38 62.8,18.93 60.25,18.93 56.55,22.63 v1(56.4,22.63) 56.4,22.78 54,25.18 54,46.47 51.81,48.67 50.11,48.67 J6.1
/IOREF: length 212.5
  Top w0.3: U7.5 58.85,38.79 v1(58.85,38.38) C24.1 ; U8.5 58.85,27.29 v1(58.85,26.88) C25.1 ; C21.1 v1(58.85,49.88) 58.85,50.29 U6.5 ; R56.2 60.68,18.79 63.26,18.79 R55.2 64.1,18.28 64.61,18.79 67.26,18.79 R54.2
  Top w0.4: R54.2 68.27,18.13 v1(69.35,18.13)
  Top w0.5: J2.12 J4.2
  In1.Cu w0.5: J4.2 20.56,26.88 35.85,26.88 44.1,35.13 48.6,35.13 56.85,26.88 v1(58.85,26.88)
  In2.Cu w0.4: v1(69.35,18.13) 67.6,18.13 v1(58.85,26.88) v1(58.85,38.38) v1(58.85,49.88) ; v1(69.35,18.13) 76.89,18.13 J12.13 78.37,17.01 80.14,17.01 81.28,18.15 81.28,71.04 SW3.3 SW1.3 ; v1(69.35,18.13) 71.65,15.83 J13.5
/Microcontroller/AREF: length 5.7
  Top w0.3: 9.15,70.33 9.15,72.11 10.67,73.63 J9.7
/Microcontroller/D2: length 5.7
  Top w0.3: 6.61,70.33 6.61,72.11 8.13,73.63 J9.5
/Microcontroller/D3: length 5.7
  Top w0.3: J9.3 5.59,73.63 4.07,72.11 4.07,70.33
/Microcontroller/NC_1: length 5.1
  Top w0.3: J4.1 J2.10
/Microcontroller/RESET: length 5.1
  Top w0.3: J4.3 J2.14
/PHASE_U: length 19.8
  Top w0.3: v1(68.6,56.63) 67.11,56.63 66.06,57.68 64.31,57.68 R33.2
  Top w0.4: U3.4 v1(71.91,54.19) 73.02,54.19 C12.2 73.17,54.34 74.25,53.27 74.25,52.52 76.71,50.06 J11.3 76.92,50.06
  In1.Cu w0.4: v1(68.6,56.63) 69.47,56.63 v1(71.91,54.19)
/PHASE_V: length 18.6
  Top w0.3: R35.2 64.26,46.13 67.15,46.13 v1(67.35,45.93)
  Top w0.4: U5.4 v1(71.91,42.69) 73.02,42.69 C19.2 73.56,42.84 73.96,42.44 J11.9 ; R47.2 v1(67.35,45.93)
  In1.Cu w0.4: v1(71.91,42.69) 68.67,45.93 v1(67.35,45.93)
/PHASE_W: length 18.3
  Top w0.3: R43.2 64.31,34.68 66.06,34.68 67.34,33.39
  Top w0.4: v1(68.32,33.39) 67.36,33.39 R48.2 ; U4.4 v1(71.91,31.19) 73.02,31.19 C13.2 74.86,31.34 J12.1
  In1.Cu w0.4: v1(68.32,33.39) 69.7,33.39 v1(71.91,31.19)
/PWM_UB: length 21
  Top w0.3: R23.1 24.38,67.67 24.38,70.33
  In1.Cu w0.3: 24.38,70.33 24.38,71.09 25.65,72.36 32.18,72.36 34.87,75.05 34.87,75.9 35.57,76.61 37.27,76.61 J9.30
/PWM_UT: length 13.9
  Top w0.3: J7.3 21.84,67.64 R22.1
  In1.Cu w0.3: J7.3 25.15,73.63 29.21,73.63 J9.23
/PWM_VB: length 11.5
  Top w0.3: R29.1 36.07,68.16 J8.6 34.87,71.53 34.87,76.75 J9.28
/PWM_VT: length 19.2
  Top w0.3: R28.1 14.1,70.2 J7.6
  In2.Cu w0.3: J9.21 25.91,72.87 16.76,72.87 J7.6
/PWM_WB: length 28.9
  Top w0.3: J9.24 29.72,76.68 29.72,67.75 R19.1
  In1.Cu w0.3: J9.24 29.79,76.75 23.01,76.75 22.1,75.83 22.1,74.82 17.61,70.33 J7.5
/PWM_WT: length 15.1
  Top w0.3: R18.1 33.53,68.06 J8.7
  In1.Cu w0.3: J9.33 41.15,72.87 36.07,72.87 J8.7
/REMOTE: length 48.3
  Top w0.3: J3.2 71.85,86.38 63.43,86.38 R16.1 v1(61.42,85.3) ; J8.2 J9.35
  In2.Cu w0.3: v1(61.42,85.3) 60.23,85.3 51.61,76.68 47.5,76.68 J9.35
/SPEED: length 18.2
  Top w0.3: J2.34 J5.4
  In2.Cu w0.3: J5.4 46.6,24.98 46.6,31.13 RV1.2
Net-(C8-Pad2): length 6.2
  Top w0.3: R9.1 41.86,51.56 40.06,51.56 C8.2 C9.1
Net-(C12-Pad1): length 1.8
  Top w0.4: R26.2 C12.1
Net-(C13-Pad1): length 1.8
  Top w0.4: R27.2 C13.1
Net-(C19-Pad1): length 1.8
  Top w0.4: R32.2 C19.1
Net-(D2-A): length 3
  Top w0.4: 64.12,61.9 63.85,61.63 R1.2
Net-(D3-K): length 6.8
  Top w0.5: D3.1 27.94,35.02 24.89,31.97 JP2.1
Net-(D4-A): length 13.8
  Top w0.3: R14.2 58.37,85.33 D4.2 57.44,83.89 57.44,76.34 SW1.2 ; 58.76,85.2 58.63,85.33
Net-(D4-K): length 2.7
  Top w0.3: R13.1 58.37,88.31 D4.1
Net-(D5-A): length 13.6
  Top w0.3: R16.2 66.54,85.3 66.75,85.08 65.44,83.76 65.44,76.34 SW2.2
Net-(D5-K): length 2.7
  Top w0.3: 66.75,88.05 66.54,88.27 R15.1
Net-(D6-A): length 19
  Top w0.3: U9.12 11.74,82.6 13.19,81.15 23.73,81.15 D6.2
Net-(D7-A): length 15.1
  Top w0.3: U9.13 12.39,82.65 13.4,81.65 21.44,81.65 D7.2
Net-(D8-A): length 11.7
  Top w0.3: U9.14 13.04,82.71 13.61,82.15 20.03,82.15 22.05,84.17 D8.2
Net-(D9-A): length 6.9
  Top w0.3: U9.15 13.69,84.18 14.81,85.3 19.02,85.3 D9.2
Net-(D10-A): length 25
  Top w0.3: v1(36.02,86.57) D10.2 ; v1(15.1,89.93) U9.1
  In2.Cu w0.3: v1(15.1,89.93) 15.2,90.03 31.21,90.03 34.67,86.57 v1(36.02,86.57)
Net-(D11-A): length 22.7
  Top w0.3: v1(33.23,86.57) D11.2 ; U9.2 13.69,88.12 14.17,87.64 v1(14.35,87.64)
  In2.Cu w0.3: v1(14.35,87.64) 14.91,87.07 31.37,87.07 31.88,86.57 v1(33.23,86.57)
Net-(D12-A): length 20.7
  Top w0.3: v1(13.04,87.68) U9.3 ; v1(30.43,86.31) D12.2
  In2.Cu w0.3: v1(30.43,86.31) 14.41,86.31 v1(13.04,87.68)
Net-(D13-A): length 2.8
  Top w0.3: R58.1 44.66,86.49 D13.2
Net-(D14-A): length 6.8
  Top w0.3: R58.2 41.41,85.08 D14.2
Net-(D15-A): length 2.7
  Top w0.3: D15.2 18.51,39.54 R59.2
Net-(J7-Pin_7): length 5.7
  Top w0.3: J9.9 13.21,73.63 11.69,72.11 11.69,70.33
Net-(R33-Pad1): length 4
  Top w0.3: R34.2 59.43,56.38 R33.1 61.18,54.4 R37.2
Net-(R35-Pad1): length 4
  Top w0.3: R38.2 61.18,42.9 R35.1 59.43,44.88 R36.2
Net-(R43-Pad1): length 4
  Top w0.3: R44.2 59.43,33.38 R43.1 61.18,31.4 R45.2
Net-(R46-Pad1): length 43
  Top w0.4: v1(65.35,43.96) R47.1 ; R46.1 65.22,56.25 v1(64.3,56.25) ; R48.1 64.52,33.38 v1(64.45,33.46) ; v1(49.51,57.12) 48.85,56.46 R49.2
  In1.Cu w0.4: v1(64.3,56.25) 64.17,56.38 50.25,56.38 v1(49.51,57.12)
  In2.Cu w0.4: v1(64.3,56.25) 64.3,56.25 64.3,50.43 65.35,49.38 v1(65.35,43.96) 65.35,34.36 v1(64.45,33.46)
Net-(R49-Pad1): length 3.5
  Top w0.3: 50.67,56.13 50.67,52.63
Net-(SW3-B): length 26.2
  Top w0.3: v1(51.82,78.71) R17.2
  In1.Cu w0.3: SW3.2 71.88,75.15 67.56,79.47 52.58,79.47 v1(51.82,78.71)
Net-(U1-VO): length 4.1
  Top w0.5: U1.2 23.96,38.83 C6.1 23.98,38.81 R8.2
Net-(U2-EN/UVLO): length 6.9
  Top w0.3: U2.3 42.66,63.57 42.6,63.63 41.01,63.63 40.35,64.3 R4.1 R5.2 ; 42.66,62.17 42.66,61.93
Net-(U2-FB): length 11.1
  Top w0.3: R11.2 36.43,56.63 41.34,56.63 U2.5 ; C8.1 40.96,52.68 R10.1 41.39,56.01 41.39,56.28
Net-(U2-RON): length 2
  Top w0.3: U2.4 40.11,61.98 R6.2
Net-(U3-HB): length 4.1
  Top w0.4: U3.2 71.27,51.65 72.07,50.85 72.07,50.08 R26.1
Net-(U3-HI): length 55.4
  Top w0.3: 21.92,65.81 R24.2 19.52,65.81 TP4.1 ; 21.92,65.81 22.42,65.81 v1(23.1,65.13) ; 21.92,65.81 R22.2 ; v1(66.6,54.63) 66.16,54.19 U3.5
  In1.Cu w0.3: v1(66.6,54.63) 66.6,55.01 58.73,62.88 38.29,62.88 37.94,63.23 25,63.23 v1(23.1,65.13)
Net-(U3-LI): length 59.2
  Top w0.3: v1(66.6,53.13) 66.39,52.92 U3.6 ; TP5.1 24.35,62.38 R23.2 R25.1 26.6,65.31 v1(26.6,64.63)
  In1.Cu w0.3: v1(26.6,64.63) 28.21,66.25 56.98,66.25 67.6,55.63 67.6,53.63 67.1,53.13 v1(66.6,53.13)
Net-(U4-HB): length 4.1
  Top w0.4: R27.1 72.07,27.08 72.07,27.85 71.27,28.65 U4.2
Net-(U4-HI): length 69.6
  Top w0.3: TP2.1 29.1,61.88 31.35,64.13 R20.2 R18.2 33.6,65.31 v1(33.6,64.63) ; v1(64.6,31.63) 65.01,31.63 U4.5
  In2.Cu w0.3: v1(33.6,64.63) 35.54,62.69 58.74,62.69 63.1,58.33 63.1,32.83 64.3,31.63 v1(64.6,31.63)
Net-(U4-LI): length 60.1
  Top w0.3: TP3.1 26.31,61.84 v1(26.31,61.87) 26.33,61.87 27.85,63.38 R21.1 R19.2 ; v1(64.11,30.38) 64.57,29.92 U4.6
  In1.Cu w0.3: v1(64.11,30.38) 61.35,30.38 29.86,61.87 v1(26.31,61.87)
Net-(U5-HB): length 4.1
  Top w0.4: R32.1 72.07,38.58 72.07,39.35 71.27,40.15 U5.2
Net-(U5-HI): length 83.1
  Top w0.3: v1(66.98,42.68) 65.46,42.68 U5.5 ; 11.85,64.13 TP6.1 13.68,65.72 15.51,65.72 v1(15.6,65.63) 15.68,65.72 R30.2
  In2.Cu w0.3: v1(15.6,65.63) 16.85,66.88 35.35,66.88 36.6,68.13 58.44,68.13 70.1,56.48 70.1,43.48 69.25,42.63 67.03,42.63 v1(66.98,42.68)
